# KiCad board tekskey.kicad_pcb
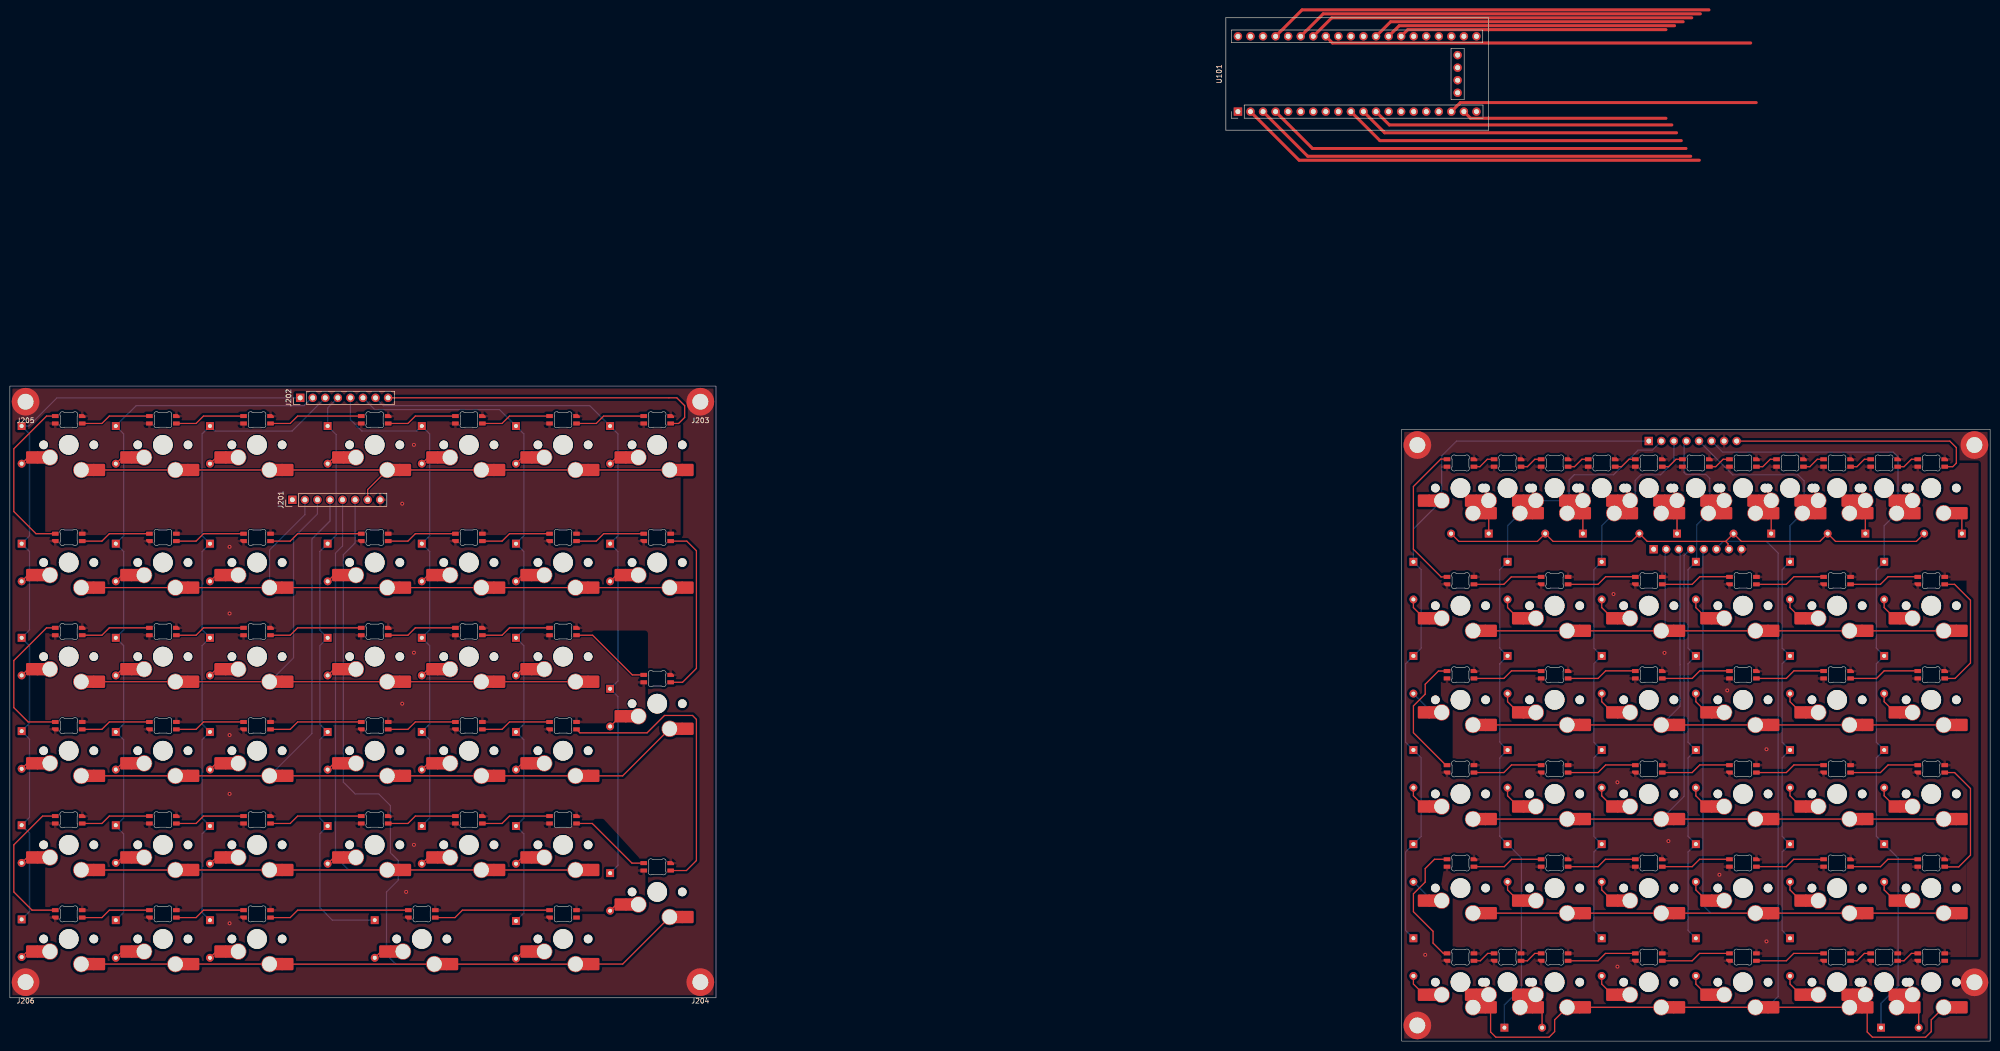
[diagram p0: board, top side]
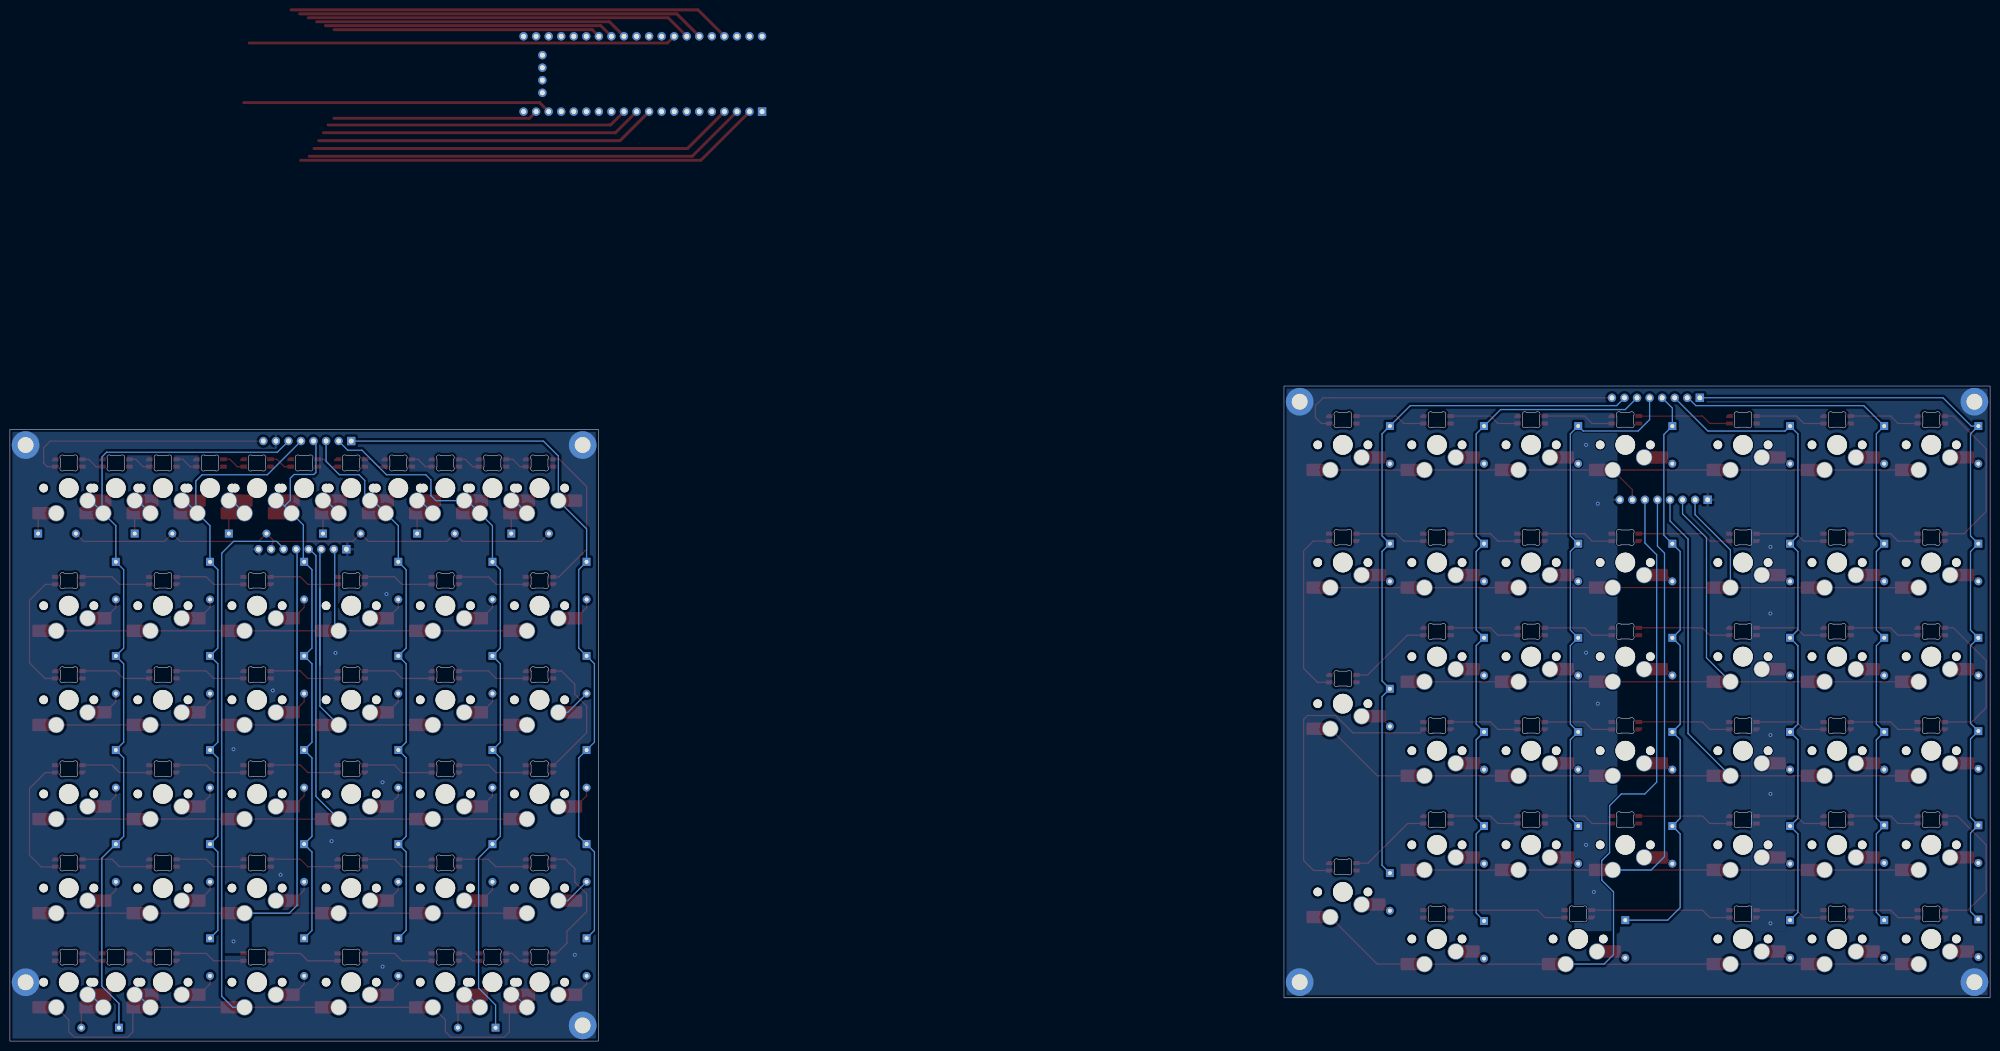
[diagram p1: board, bottom side, seen from below]

Outline 400.66 x 132.59 mm; copper layers: Top, Bottom. Coordinates in mm from the lower left corner of the outline.
Outline path: rectangle 0,132.59 142.88,8.77 ; rectangle 281.6,123.82 400.66,0
Stack: Top 0.035mm / dielectric 1.51mm FR4 er 4.5 / Bottom 0.035mm

## Placement (name value [footprint] x y rotation side)
D101  1N4148  [D_DO-35_SOD27_P7.62mm_Horizontal_NoSilk]  299.22 102.73 180 top
D102  1N4148  [D_DO-35_SOD27_P7.62mm_Horizontal_NoSilk]  318.26 102.73 180 top
D103  1N4148  [D_DO-35_SOD27_P7.62mm_Horizontal_NoSilk]  337.31 102.73 180 top
D104  1N4148  [D_DO-35_SOD27_P7.62mm_Horizontal_NoSilk]  356.37 102.73 180 top
D105  1N4148  [D_DO-35_SOD27_P7.62mm_Horizontal_NoSilk]  375.41 102.73 180 top
D106  1N4148  [D_DO-35_SOD27_P7.62mm_Horizontal_NoSilk]  394.94 102.73 180 top
D107  1N4148  [D_DO-35_SOD27_P7.62mm_Horizontal_NoSilk]  283.98 97.02 270 top
D108  1N4148  [D_DO-35_SOD27_P7.62mm_Horizontal_NoSilk]  303.02 97.02 270 top
D109  1N4148  [D_DO-35_SOD27_P7.62mm_Horizontal_NoSilk]  322.07 97.02 270 top
D110  1N4148  [D_DO-35_SOD27_P7.62mm_Horizontal_NoSilk]  341.12 97.02 270 top
D111  1N4148  [D_DO-35_SOD27_P7.62mm_Horizontal_NoSilk]  360.17 97.02 270 top
D112  1N4148  [D_DO-35_SOD27_P7.62mm_Horizontal_NoSilk]  379.23 97.02 270 top
D113  1N4148  [D_DO-35_SOD27_P7.62mm_Horizontal_NoSilk]  283.98 77.97 270 top
D114  1N4148  [D_DO-35_SOD27_P7.62mm_Horizontal_NoSilk]  303.02 77.97 270 top
D115  1N4148  [D_DO-35_SOD27_P7.62mm_Horizontal_NoSilk]  322.07 77.97 270 top
D116  1N4148  [D_DO-35_SOD27_P7.62mm_Horizontal_NoSilk]  341.12 77.97 270 top
D117  1N4148  [D_DO-35_SOD27_P7.62mm_Horizontal_NoSilk]  360.17 77.97 270 top
D118  1N4148  [D_DO-35_SOD27_P7.62mm_Horizontal_NoSilk]  379.23 77.97 270 top
D119  1N4148  [D_DO-35_SOD27_P7.62mm_Horizontal_NoSilk]  283.98 58.92 270 top
D120  1N4148  [D_DO-35_SOD27_P7.62mm_Horizontal_NoSilk]  303.02 58.92 270 top
D121  1N4148  [D_DO-35_SOD27_P7.62mm_Horizontal_NoSilk]  322.07 58.92 270 top
D122  1N4148  [D_DO-35_SOD27_P7.62mm_Horizontal_NoSilk]  341.12 58.92 270 top
D123  1N4148  [D_DO-35_SOD27_P7.62mm_Horizontal_NoSilk]  360.17 58.92 270 top
D124  1N4148  [D_DO-35_SOD27_P7.62mm_Horizontal_NoSilk]  379.23 58.92 270 top
D125  1N4148  [D_DO-35_SOD27_P7.62mm_Horizontal_NoSilk]  283.98 39.87 270 top
D126  1N4148  [D_DO-35_SOD27_P7.62mm_Horizontal_NoSilk]  303.02 39.87 270 top
D127  1N4148  [D_DO-35_SOD27_P7.62mm_Horizontal_NoSilk]  322.07 39.87 270 top
D128  1N4148  [D_DO-35_SOD27_P7.62mm_Horizontal_NoSilk]  341.12 39.87 270 top
D129  1N4148  [D_DO-35_SOD27_P7.62mm_Horizontal_NoSilk]  360.17 39.87 270 top
D130  1N4148  [D_DO-35_SOD27_P7.62mm_Horizontal_NoSilk]  379.23 39.87 270 top
D131  1N4148  [D_DO-35_SOD27_P7.62mm_Horizontal_NoSilk]  283.98 20.82 270 top
D132  1N4148  [D_DO-35_SOD27_P7.62mm_Horizontal_NoSilk]  302.39 2.72 0 top
D133  1N4148  [D_DO-35_SOD27_P7.62mm_Horizontal_NoSilk]  322.07 20.82 270 top
D134  1N4148  [D_DO-35_SOD27_P7.62mm_Horizontal_NoSilk]  341.12 20.82 270 top
D135  1N4148  [D_DO-35_SOD27_P7.62mm_Horizontal_NoSilk]  360.17 20.82 270 top
D136  1N4148  [D_DO-35_SOD27_P7.62mm_Horizontal_NoSilk]  378.59 2.72 0 top
D201  1N4148  [D_DO-35_SOD27_P7.62mm_Horizontal_NoSilk]  2.38 124.49 270 top
D202  1N4148  [D_DO-35_SOD27_P7.62mm_Horizontal_NoSilk]  21.43 124.49 270 top
D203  1N4148  [D_DO-35_SOD27_P7.62mm_Horizontal_NoSilk]  40.48 124.49 270 top
D204  1N4148  [D_DO-35_SOD27_P7.62mm_Horizontal_NoSilk]  64.29 124.49 270 top
D205  1N4148  [D_DO-35_SOD27_P7.62mm_Horizontal_NoSilk]  83.34 124.49 270 top
D206  1N4148  [D_DO-35_SOD27_P7.62mm_Horizontal_NoSilk]  102.39 124.49 270 top
D207  1N4148  [D_DO-35_SOD27_P7.62mm_Horizontal_NoSilk]  121.44 124.49 270 top
D208  1N4148  [D_DO-35_SOD27_P7.62mm_Horizontal_NoSilk]  2.38 100.68 270 top
D209  1N4148  [D_DO-35_SOD27_P7.62mm_Horizontal_NoSilk]  21.43 100.68 270 top
D210  1N4148  [D_DO-35_SOD27_P7.62mm_Horizontal_NoSilk]  40.48 100.68 270 top
D211  1N4148  [D_DO-35_SOD27_P7.62mm_Horizontal_NoSilk]  64.29 100.68 270 top
D212  1N4148  [D_DO-35_SOD27_P7.62mm_Horizontal_NoSilk]  83.34 100.68 270 top
D213  1N4148  [D_DO-35_SOD27_P7.62mm_Horizontal_NoSilk]  102.39 100.68 270 top
D214  1N4148  [D_DO-35_SOD27_P7.62mm_Horizontal_NoSilk]  121.44 100.68 270 top
D215  1N4148  [D_DO-35_SOD27_P7.62mm_Horizontal_NoSilk]  2.38 81.63 270 top
D216  1N4148  [D_DO-35_SOD27_P7.62mm_Horizontal_NoSilk]  21.43 81.63 270 top
D217  1N4148  [D_DO-35_SOD27_P7.62mm_Horizontal_NoSilk]  40.48 81.63 270 top
D218  1N4148  [D_DO-35_SOD27_P7.62mm_Horizontal_NoSilk]  64.29 81.63 270 top
D219  1N4148  [D_DO-35_SOD27_P7.62mm_Horizontal_NoSilk]  83.34 81.63 270 top
D220  1N4148  [D_DO-35_SOD27_P7.62mm_Horizontal_NoSilk]  102.39 81.63 270 top
D221  1N4148  [D_DO-35_SOD27_P7.62mm_Horizontal_NoSilk]  121.44 71.31 270 top
D222  1N4148  [D_DO-35_SOD27_P7.62mm_Horizontal_NoSilk]  2.38 62.74 270 top
D223  1N4148  [D_DO-35_SOD27_P7.62mm_Horizontal_NoSilk]  21.43 62.58 270 top
D224  1N4148  [D_DO-35_SOD27_P7.62mm_Horizontal_NoSilk]  40.48 62.58 270 top
D225  1N4148  [D_DO-35_SOD27_P7.62mm_Horizontal_NoSilk]  64.29 62.58 270 top
D226  1N4148  [D_DO-35_SOD27_P7.62mm_Horizontal_NoSilk]  83.34 62.58 270 top
D227  1N4148  [D_DO-35_SOD27_P7.62mm_Horizontal_NoSilk]  102.39 62.58 270 top
D229  1N4148  [D_DO-35_SOD27_P7.62mm_Horizontal_NoSilk]  2.38 43.69 270 top
D230  1N4148  [D_DO-35_SOD27_P7.62mm_Horizontal_NoSilk]  21.43 43.69 270 top
D231  1N4148  [D_DO-35_SOD27_P7.62mm_Horizontal_NoSilk]  40.48 43.53 270 top
D232  1N4148  [D_DO-35_SOD27_P7.62mm_Horizontal_NoSilk]  64.29 43.53 270 top
D233  1N4148  [D_DO-35_SOD27_P7.62mm_Horizontal_NoSilk]  83.34 43.53 270 top
D234  1N4148  [D_DO-35_SOD27_P7.62mm_Horizontal_NoSilk]  102.39 43.53 270 top
D235  1N4148  [D_DO-35_SOD27_P7.62mm_Horizontal_NoSilk]  121.44 34.01 270 top
D236  1N4148  [D_DO-35_SOD27_P7.62mm_Horizontal_NoSilk]  2.38 24.64 270 top
D237  1N4148  [D_DO-35_SOD27_P7.62mm_Horizontal_NoSilk]  21.43 24.48 270 top
D238  1N4148  [D_DO-35_SOD27_P7.62mm_Horizontal_NoSilk]  40.48 24.48 270 top
D239  1N4148  [D_DO-35_SOD27_P7.62mm_Horizontal_NoSilk]  73.82 24.48 270 top
D241  1N4148  [D_DO-35_SOD27_P7.62mm_Horizontal_NoSilk]  102.39 24.32 270 top
J101  Conn_01x08  [PinHeader_1x08_P2.54mm_Vertical]  331.6 121.46 90 top
J102  Conn_01x08  [PinHeader_1x08_P2.54mm_Vertical]  332.58 99.57 90 top
J103  Conn_01x01_Male  [MountingHole_3.2mm_M3_DIN965_Pad]  397.49 120.65 0 top
J104  Conn_01x01_Male  [MountingHole_3.2mm_M3_DIN965_Pad]  284.77 3.18 0 top
J105  Conn_01x01_Male  [MountingHole_3.2mm_M3_DIN965_Pad]  284.77 120.65 0 top
J106  Conn_01x01_Male  [MountingHole_3.2mm_M3_DIN965_Pad]  397.49 11.91 0 top
J201  Conn_01x08  [PinHeader_1x08_P2.54mm_Vertical]  57.15 109.57 90 top
J202  Conn_01x08  [PinHeader_1x08_P2.54mm_Vertical]  58.74 130.21 90 top
J203  Conn_01x01_Male  [MountingHole_3.2mm_M3_DIN965_Pad]  139.7 129.42 180 top
J204  Conn_01x01_Male  [MountingHole_3.2mm_M3_DIN965_Pad]  139.7 11.94 180 top
J205  Conn_01x01_Male  [MountingHole_3.2mm_M3_DIN965_Pad]  3.17 129.42 180 top
J206  Conn_01x01_Male  [MountingHole_3.2mm_M3_DIN965_Pad]  3.17 11.94 180 top
LED0B101  MX_SK6812MINI-E  [LED_MX_6028R]  303.02 117.02 180 top
LED1B101  MX_SK6812MINI-E  [LED_MX_6028R]  322.07 117.02 180 top
LED2B101  MX_SK6812MINI-E  [LED_MX_6028R]  341.12 117.02 180 top
LED3B101  MX_SK6812MINI-E  [LED_MX_6028R]  360.17 117.02 180 top
LED4B101  MX_SK6812MINI-E  [LED_MX_6028R]  379.23 117.02 180 top
LED101  MX_SK6812MINI-E  [LED_MX_6028R]  293.5 117.02 180 top
LED102  MX_SK6812MINI-E  [LED_MX_6028R]  312.55 117.02 180 top
LED103  MX_SK6812MINI-E  [LED_MX_6028R]  331.6 117.02 180 top
LED104  MX_SK6812MINI-E  [LED_MX_6028R]  350.65 117.02 180 top
LED105  MX_SK6812MINI-E  [LED_MX_6028R]  369.7 117.02 180 top
LED106  MX_SK6812MINI-E  [LED_MX_6028R]  388.75 117.02 180 top
LED107  MX_SK6812MINI-E  [LED_MX_6028R-FLIPPED]  293.5 93.21 180 top
LED108  MX_SK6812MINI-E  [LED_MX_6028R-FLIPPED]  312.55 93.21 180 top
LED109  MX_SK6812MINI-E  [LED_MX_6028R-FLIPPED]  331.6 93.21 180 top
LED110  MX_SK6812MINI-E  [LED_MX_6028R-FLIPPED]  350.65 93.21 180 top
LED111  MX_SK6812MINI-E  [LED_MX_6028R-FLIPPED]  369.7 93.21 180 top
LED112  MX_SK6812MINI-E  [LED_MX_6028R-FLIPPED]  388.75 93.21 180 top
LED113  MX_SK6812MINI-E  [LED_MX_6028R]  293.5 74.16 180 top
LED114  MX_SK6812MINI-E  [LED_MX_6028R]  312.55 74.16 180 top
LED115  MX_SK6812MINI-E  [LED_MX_6028R]  331.6 74.16 180 top
LED116  MX_SK6812MINI-E  [LED_MX_6028R]  350.65 74.16 180 top
LED117  MX_SK6812MINI-E  [LED_MX_6028R]  369.7 74.16 180 top
LED118  MX_SK6812MINI-E  [LED_MX_6028R]  388.75 74.16 180 top
LED119  MX_SK6812MINI-E  [LED_MX_6028R-FLIPPED]  293.5 55.11 180 top
LED120  MX_SK6812MINI-E  [LED_MX_6028R-FLIPPED]  312.55 55.11 180 top
LED121  MX_SK6812MINI-E  [LED_MX_6028R-FLIPPED]  331.6 55.11 180 top
LED122  MX_SK6812MINI-E  [LED_MX_6028R-FLIPPED]  350.65 55.11 180 top
LED123  MX_SK6812MINI-E  [LED_MX_6028R-FLIPPED]  369.7 55.11 180 top
LED124  MX_SK6812MINI-E  [LED_MX_6028R-FLIPPED]  388.75 55.11 180 top
LED125  MX_SK6812MINI-E  [LED_MX_6028R]  293.5 36.06 180 top
LED126  MX_SK6812MINI-E  [LED_MX_6028R]  312.55 36.06 180 top
LED127  MX_SK6812MINI-E  [LED_MX_6028R]  331.6 36.06 180 top
LED128  MX_SK6812MINI-E  [LED_MX_6028R]  350.65 36.06 180 top
LED129  MX_SK6812MINI-E  [LED_MX_6028R]  369.7 36.06 180 top
LED130  MX_SK6812MINI-E  [LED_MX_6028R]  388.75 36.06 180 top
LED131  MX_SK6812MINI-E  [LED_MX_6028R-FLIPPED]  293.5 17.01 180 top
LED132  MX_SK6812MINI-E  [LED_MX_6028R-FLIPPED]  303.02 17.01 180 top
LED133  MX_SK6812MINI-E  [LED_MX_6028R-FLIPPED]  312.55 17.01 180 top
LED134  MX_SK6812MINI-E  [LED_MX_6028R-FLIPPED]  331.6 17.01 180 top
LED135  MX_SK6812MINI-E  [LED_MX_6028R-FLIPPED]  350.65 17.01 180 top
LED136  MX_SK6812MINI-E  [LED_MX_6028R-FLIPPED]  369.7 17.01 180 top
LED137  MX_SK6812MINI-E  [LED_MX_6028R-FLIPPED]  379.23 17.01 180 top
LED138  MX_SK6812MINI-E  [LED_MX_6028R-FLIPPED]  388.75 17.01 180 top
LED201  MX_SK6812MINI-E  [LED_MX_6028R]  11.91 125.76 180 top
LED202  MX_SK6812MINI-E  [LED_MX_6028R]  30.96 125.76 180 top
LED203  MX_SK6812MINI-E  [LED_MX_6028R]  50.01 125.76 180 top
LED204  MX_SK6812MINI-E  [LED_MX_6028R]  73.82 125.76 180 top
LED205  MX_SK6812MINI-E  [LED_MX_6028R]  92.87 125.76 180 top
LED206  MX_SK6812MINI-E  [LED_MX_6028R]  111.92 125.76 180 top
LED207  MX_SK6812MINI-E  [LED_MX_6028R]  130.97 125.76 180 top
LED208  MX_SK6812MINI-E  [LED_MX_6028R-FLIPPED]  11.91 101.95 180 top
LED209  MX_SK6812MINI-E  [LED_MX_6028R-FLIPPED]  30.96 101.95 180 top
LED210  MX_SK6812MINI-E  [LED_MX_6028R-FLIPPED]  50.01 101.95 180 top
LED211  MX_SK6812MINI-E  [LED_MX_6028R-FLIPPED]  73.82 101.95 180 top
LED212  MX_SK6812MINI-E  [LED_MX_6028R-FLIPPED]  92.87 101.95 180 top
LED213  MX_SK6812MINI-E  [LED_MX_6028R-FLIPPED]  111.92 101.95 180 top
LED214  MX_SK6812MINI-E  [LED_MX_6028R-FLIPPED]  130.97 101.95 180 top
LED215  MX_SK6812MINI-E  [LED_MX_6028R]  11.91 82.9 180 top
LED216  MX_SK6812MINI-E  [LED_MX_6028R]  30.96 82.9 180 top
LED217  MX_SK6812MINI-E  [LED_MX_6028R]  50.01 82.9 180 top
LED218  MX_SK6812MINI-E  [LED_MX_6028R]  73.82 82.9 180 top
LED219  MX_SK6812MINI-E  [LED_MX_6028R]  92.87 82.9 180 top
LED220  MX_SK6812MINI-E  [LED_MX_6028R]  111.92 82.9 180 top
LED221  MX_SK6812MINI-E  [LED_MX_6028R]  130.97 73.38 180 top
LED222  MX_SK6812MINI-E  [LED_MX_6028R-FLIPPED]  11.91 63.85 180 top
LED223  MX_SK6812MINI-E  [LED_MX_6028R-FLIPPED]  30.96 63.85 180 top
LED224  MX_SK6812MINI-E  [LED_MX_6028R-FLIPPED]  50.01 63.85 180 top
LED225  MX_SK6812MINI-E  [LED_MX_6028R-FLIPPED]  73.82 63.85 180 top
LED226  MX_SK6812MINI-E  [LED_MX_6028R-FLIPPED]  92.87 63.85 180 top
LED227  MX_SK6812MINI-E  [LED_MX_6028R-FLIPPED]  111.92 63.85 180 top
LED229  MX_SK6812MINI-E  [LED_MX_6028R]  11.91 44.8 180 top
LED230  MX_SK6812MINI-E  [LED_MX_6028R]  30.96 44.8 180 top
LED231  MX_SK6812MINI-E  [LED_MX_6028R]  50.01 44.8 180 top
LED232  MX_SK6812MINI-E  [LED_MX_6028R]  73.82 44.8 180 top
LED233  MX_SK6812MINI-E  [LED_MX_6028R]  92.87 44.8 180 top
LED234  MX_SK6812MINI-E  [LED_MX_6028R]  111.92 44.8 180 top
LED235  MX_SK6812MINI-E  [LED_MX_6028R]  130.97 35.28 180 top
LED236  MX_SK6812MINI-E  [LED_MX_6028R-FLIPPED]  11.91 25.75 180 top
LED237  MX_SK6812MINI-E  [LED_MX_6028R-FLIPPED]  30.96 25.75 180 top
LED238  MX_SK6812MINI-E  [LED_MX_6028R-FLIPPED]  50.01 25.75 180 top
LED239  MX_SK6812MINI-E  [LED_MX_6028R-FLIPPED]  83.34 25.75 180 top
LED241  MX_SK6812MINI-E  [LED_MX_6028R-FLIPPED]  111.92 25.75 180 top
SW1B101  MX_SW_HS  [SW_MX_HS_1u]  303.02 111.94 180 top
SW2B101  MX_SW_HS  [SW_MX_HS_1u]  322.07 111.94 180 top
SW3B101  MX_SW_HS  [SW_MX_HS_1u]  341.12 111.94 180 top
SW4B101  MX_SW_HS  [SW_MX_HS_1u]  360.17 111.94 180 top
SW5B101  MX_SW_HS  [SW_MX_HS_1u]  379.23 111.94 180 top
SW51B101  MX_SW_HS  [SW_MX_HS_1u]  303.02 11.93 180 top
SW55B101  MX_SW_HS  [SW_MX_HS_1u]  379.23 11.93 180 top
SW101  MX_SW_HS  [SW_MX_HS_1u]  293.5 111.94 180 top
SW102  MX_SW_HS  [SW_MX_HS_1u]  312.55 111.94 180 top
SW103  MX_SW_HS  [SW_MX_HS_1u]  331.6 111.94 180 top
SW104  MX_SW_HS  [SW_MX_HS_1u]  350.65 111.94 180 top
SW105  MX_SW_HS  [SW_MX_HS_1u]  369.7 111.94 180 top
SW106  MX_SW_HS  [SW_MX_HS_1u]  388.75 111.94 180 top
SW107  MX_SW_HS  [SW_MX_HS_1u]  293.5 88.13 180 top
SW108  MX_SW_HS  [SW_MX_HS_1u]  312.55 88.13 180 top
SW109  MX_SW_HS  [SW_MX_HS_1u]  331.6 88.13 180 top
SW110  MX_SW_HS  [SW_MX_HS_1u]  350.65 88.13 180 top
SW111  MX_SW_HS  [SW_MX_HS_1u]  369.7 88.13 180 top
SW112  MX_SW_HS  [SW_MX_HS_1u]  388.75 88.13 180 top
SW113  MX_SW_HS  [SW_MX_HS_1u]  293.5 69.08 180 top
SW114  MX_SW_HS  [SW_MX_HS_1u]  312.55 69.08 180 top
SW115  MX_SW_HS  [SW_MX_HS_1u]  331.6 69.08 180 top
SW116  MX_SW_HS  [SW_MX_HS_1u]  350.65 69.08 180 top
SW117  MX_SW_HS  [SW_MX_HS_1u]  369.7 69.08 180 top
SW118  MX_SW_HS  [SW_MX_HS_1u]  388.75 69.08 180 top
SW119  MX_SW_HS  [SW_MX_HS_1u]  293.5 50.03 180 top
SW120  MX_SW_HS  [SW_MX_HS_1u]  312.55 50.03 180 top
SW121  MX_SW_HS  [SW_MX_HS_1u]  331.6 50.03 180 top
SW122  MX_SW_HS  [SW_MX_HS_1u]  350.65 50.03 180 top
SW123  MX_SW_HS  [SW_MX_HS_1u]  369.7 50.03 180 top
SW124  MX_SW_HS  [SW_MX_HS_1u]  388.75 50.03 180 top
SW125  MX_SW_HS  [SW_MX_HS_1u]  293.5 30.98 180 top
SW126  MX_SW_HS  [SW_MX_HS_1u]  312.55 30.98 180 top
SW127  MX_SW_HS  [SW_MX_HS_1u]  331.6 30.98 180 top
SW128  MX_SW_HS  [SW_MX_HS_1u]  350.65 30.98 180 top
SW129  MX_SW_HS  [SW_MX_HS_1u]  369.7 30.98 180 top
SW130  MX_SW_HS  [SW_MX_HS_1u]  388.75 30.98 180 top
SW131  MX_SW_HS  [SW_MX_HS_1u]  293.5 11.93 180 top
SW132  MX_SW_HS  [SW_MX_HS_1u]  312.55 11.93 180 top
SW133  MX_SW_HS  [SW_MX_HS_1u]  331.6 11.93 180 top
SW134  MX_SW_HS  [SW_MX_HS_1u]  350.65 11.93 180 top
SW135  MX_SW_HS  [SW_MX_HS_1u]  369.7 11.93 180 top
SW136  MX_SW_HS  [SW_MX_HS_1u]  388.75 11.93 180 top
SW201  MX_SW_HS  [SW_MX_HS_1u]  11.91 120.68 180 top
SW202  MX_SW_HS  [SW_MX_HS_1u]  30.96 120.68 180 top
SW203  MX_SW_HS  [SW_MX_HS_1u]  50.01 120.68 180 top
SW204  MX_SW_HS  [SW_MX_HS_1u]  73.82 120.68 180 top
SW205  MX_SW_HS  [SW_MX_HS_1u]  92.87 120.68 180 top
SW206  MX_SW_HS  [SW_MX_HS_1u]  111.92 120.68 180 top
SW207  MX_SW_HS  [SW_MX_HS_1u]  130.97 120.68 180 top
SW208  MX_SW_HS  [SW_MX_HS_1u]  11.91 96.87 180 top
SW209  MX_SW_HS  [SW_MX_HS_1u]  30.96 96.87 180 top
SW210  MX_SW_HS  [SW_MX_HS_1u]  50.01 96.87 180 top
SW211  MX_SW_HS  [SW_MX_HS_1u]  73.82 96.87 180 top
SW212  MX_SW_HS  [SW_MX_HS_1u]  92.87 96.87 180 top
SW213  MX_SW_HS  [SW_MX_HS_1u]  111.92 96.87 180 top
SW214  MX_SW_HS  [SW_MX_HS_1u]  130.97 96.87 180 top
SW215  MX_SW_HS  [SW_MX_HS_1u]  11.91 77.82 180 top
SW216  MX_SW_HS  [SW_MX_HS_1u]  30.96 77.82 180 top
SW217  MX_SW_HS  [SW_MX_HS_1u]  50.01 77.82 180 top
SW218  MX_SW_HS  [SW_MX_HS_1u]  73.82 77.82 180 top
SW219  MX_SW_HS  [SW_MX_HS_1u]  92.87 77.82 180 top
SW220  MX_SW_HS  [SW_MX_HS_1u]  111.92 77.82 180 top
SW221  MX_SW_HS  [SW_MX_HS_1u]  130.97 68.3 180 top
SW222  MX_SW_HS  [SW_MX_HS_1u]  11.91 58.77 180 top
SW223  MX_SW_HS  [SW_MX_HS_1u]  30.96 58.77 180 top
SW224  MX_SW_HS  [SW_MX_HS_1u]  50.01 58.77 180 top
SW225  MX_SW_HS  [SW_MX_HS_1u]  73.82 58.77 180 top
SW226  MX_SW_HS  [SW_MX_HS_1u]  92.87 58.77 180 top
SW227  MX_SW_HS  [SW_MX_HS_1u]  111.92 58.77 180 top
SW229  MX_SW_HS  [SW_MX_HS_1u]  11.91 39.72 180 top
SW230  MX_SW_HS  [SW_MX_HS_1u]  30.96 39.72 180 top
SW231  MX_SW_HS  [SW_MX_HS_1u]  50.01 39.72 180 top
SW232  MX_SW_HS  [SW_MX_HS_1u]  73.82 39.72 180 top
SW233  MX_SW_HS  [SW_MX_HS_1u]  92.87 39.72 180 top
SW234  MX_SW_HS  [SW_MX_HS_1u]  111.92 39.72 180 top
SW235  MX_SW_HS  [SW_MX_HS_1u]  130.97 30.2 180 top
SW236  MX_SW_HS  [SW_MX_HS_1u]  11.91 20.67 180 top
SW237  MX_SW_HS  [SW_MX_HS_1u]  30.96 20.67 180 top
SW238  MX_SW_HS  [SW_MX_HS_1u]  50.01 20.67 180 top
SW239  MX_SW_HS  [SW_MX_HS_1u]  83.34 20.67 180 top
SW241  MX_SW_HS  [SW_MX_HS_1u]  111.92 20.67 180 top
U101  YAAJ_WeAct_BlackPill_Part_Like  [YAAJ_WeAct_BlackPill_SWD_2]  248.47 188.14 90 top

## Library data of the parts
LED0B101 LED1B101 LED2B101 LED3B101 LED4B101 LED101-LED138 = -: Field4: 1; Field5: offset: 5.08; Field6: switch center
LED201-LED227 LED229-LED239 LED241 = -: Field4: 1

## Footprints (pads in the part's own frame, mm; a bottom-side part is the same pattern mirrored in y, then rotated)
D_DO-35_SOD27_P7.62mm_Horizontal_NoSilk
  rect 1.6x1.6 hole 0.8: 1(0,0)
  oval 1.6x1.6 hole 0.8: 2(7.62,0)
LED_MX_6028R
  rrect 1.35x0.82 smd: 1(2.725,0.75) 2(2.725,-0.75) 3(-2.725,0.75) 4(-2.725,-0.75)
LED_MX_6028R-FLIPPED
  rrect 1.35x0.82 smd: 1(-2.725,-0.75) 2(-2.725,0.75) 3(2.725,-0.75) 4(2.725,0.75)
MountingHole_3.2mm_M3_DIN965_Pad
  round 5.6 hole 3.2: 1(0,0)
PinHeader_1x08_P2.54mm_Vertical
  rect 1.7x1.7 hole 1: 1(0,0)
  oval 1.7x1.7 hole 1: 2(0,-2.54) 3(0,-5.08) 4(0,-7.62) 5(0,-10.16) 6(0,-12.7) 7(0,-15.24) 8(0,-17.78)
SW_MX_HS_1u
  round 1.75 hole 1.75 unplated: (-5.08,0) (5.08,0)
  round 3.988 hole 3.988 unplated: (0,0)
  round 3.3 hole 3: 1(3.81,2.54) 2(-2.54,5.08)
  rect 1.65x2.5 smd: 1(5.635,2.54) 2(-4.34,5.08)
  rrect 2.55x2.5 smd: 1(7.36,2.54) 2(-6.09,5.08)
YAAJ_WeAct_BlackPill_SWD_2
  rect 1.7x1.7 hole 1: 1(0,0)
  round 1.7 hole 1: 2(0,-2.54) 3(0,-5.08) 4(0,-7.62) 5(0,-10.16) 6(0,-12.7) 7(0,-15.24) 8(0,-17.78) 9(0,-20.32) 10(0,-22.86) 11(0,-25.4) 12(0,-27.94) 13(0,-30.48) 14(0,-33.02) 15(0,-35.56) 16(0,-38.1) 17(0,-40.64) 18(0,-43.18) 19(0,-45.72) 20(0,-48.26) 21(15.24,-48.26) 22(15.24,-45.72) 23(15.24,-43.18) 24(15.24,-40.64) 25(15.24,-38.1) 26(15.24,-35.56) 27(15.24,-33.02) 28(15.24,-30.48) 29(15.24,-27.94) 30(15.24,-25.4) 31(15.24,-22.86) 32(15.24,-20.32) 33(15.24,-17.78) 34(15.24,-15.24) 35(15.24,-12.7) 36(15.24,-10.16) 37(15.24,-7.62) 38(15.24,-5.08) 39(15.24,-2.54) 40(15.24,0) 41(11.432,-44.449) 42(8.892,-44.449) 43(6.352,-44.449) 44(3.812,-44.449)
